# Altium PCB PCB_v5.PcbDoc (part 4 of 7)
Units mil, origin at the board's own origin, x right, y up, seen from the top; angles counter-clockwise.
Board outline 6750 x 6000 mil, 6 copper layers (Top Layer, Int1 (GND), Int2 (Sign), Int3 (Sign), Int4 (PWR), Bottom Layer), stack 61.067 mil thick; 472 components, 583 nets, 2516 pads, 977 vias.
Unrouted connection lines stored in the file: 28.
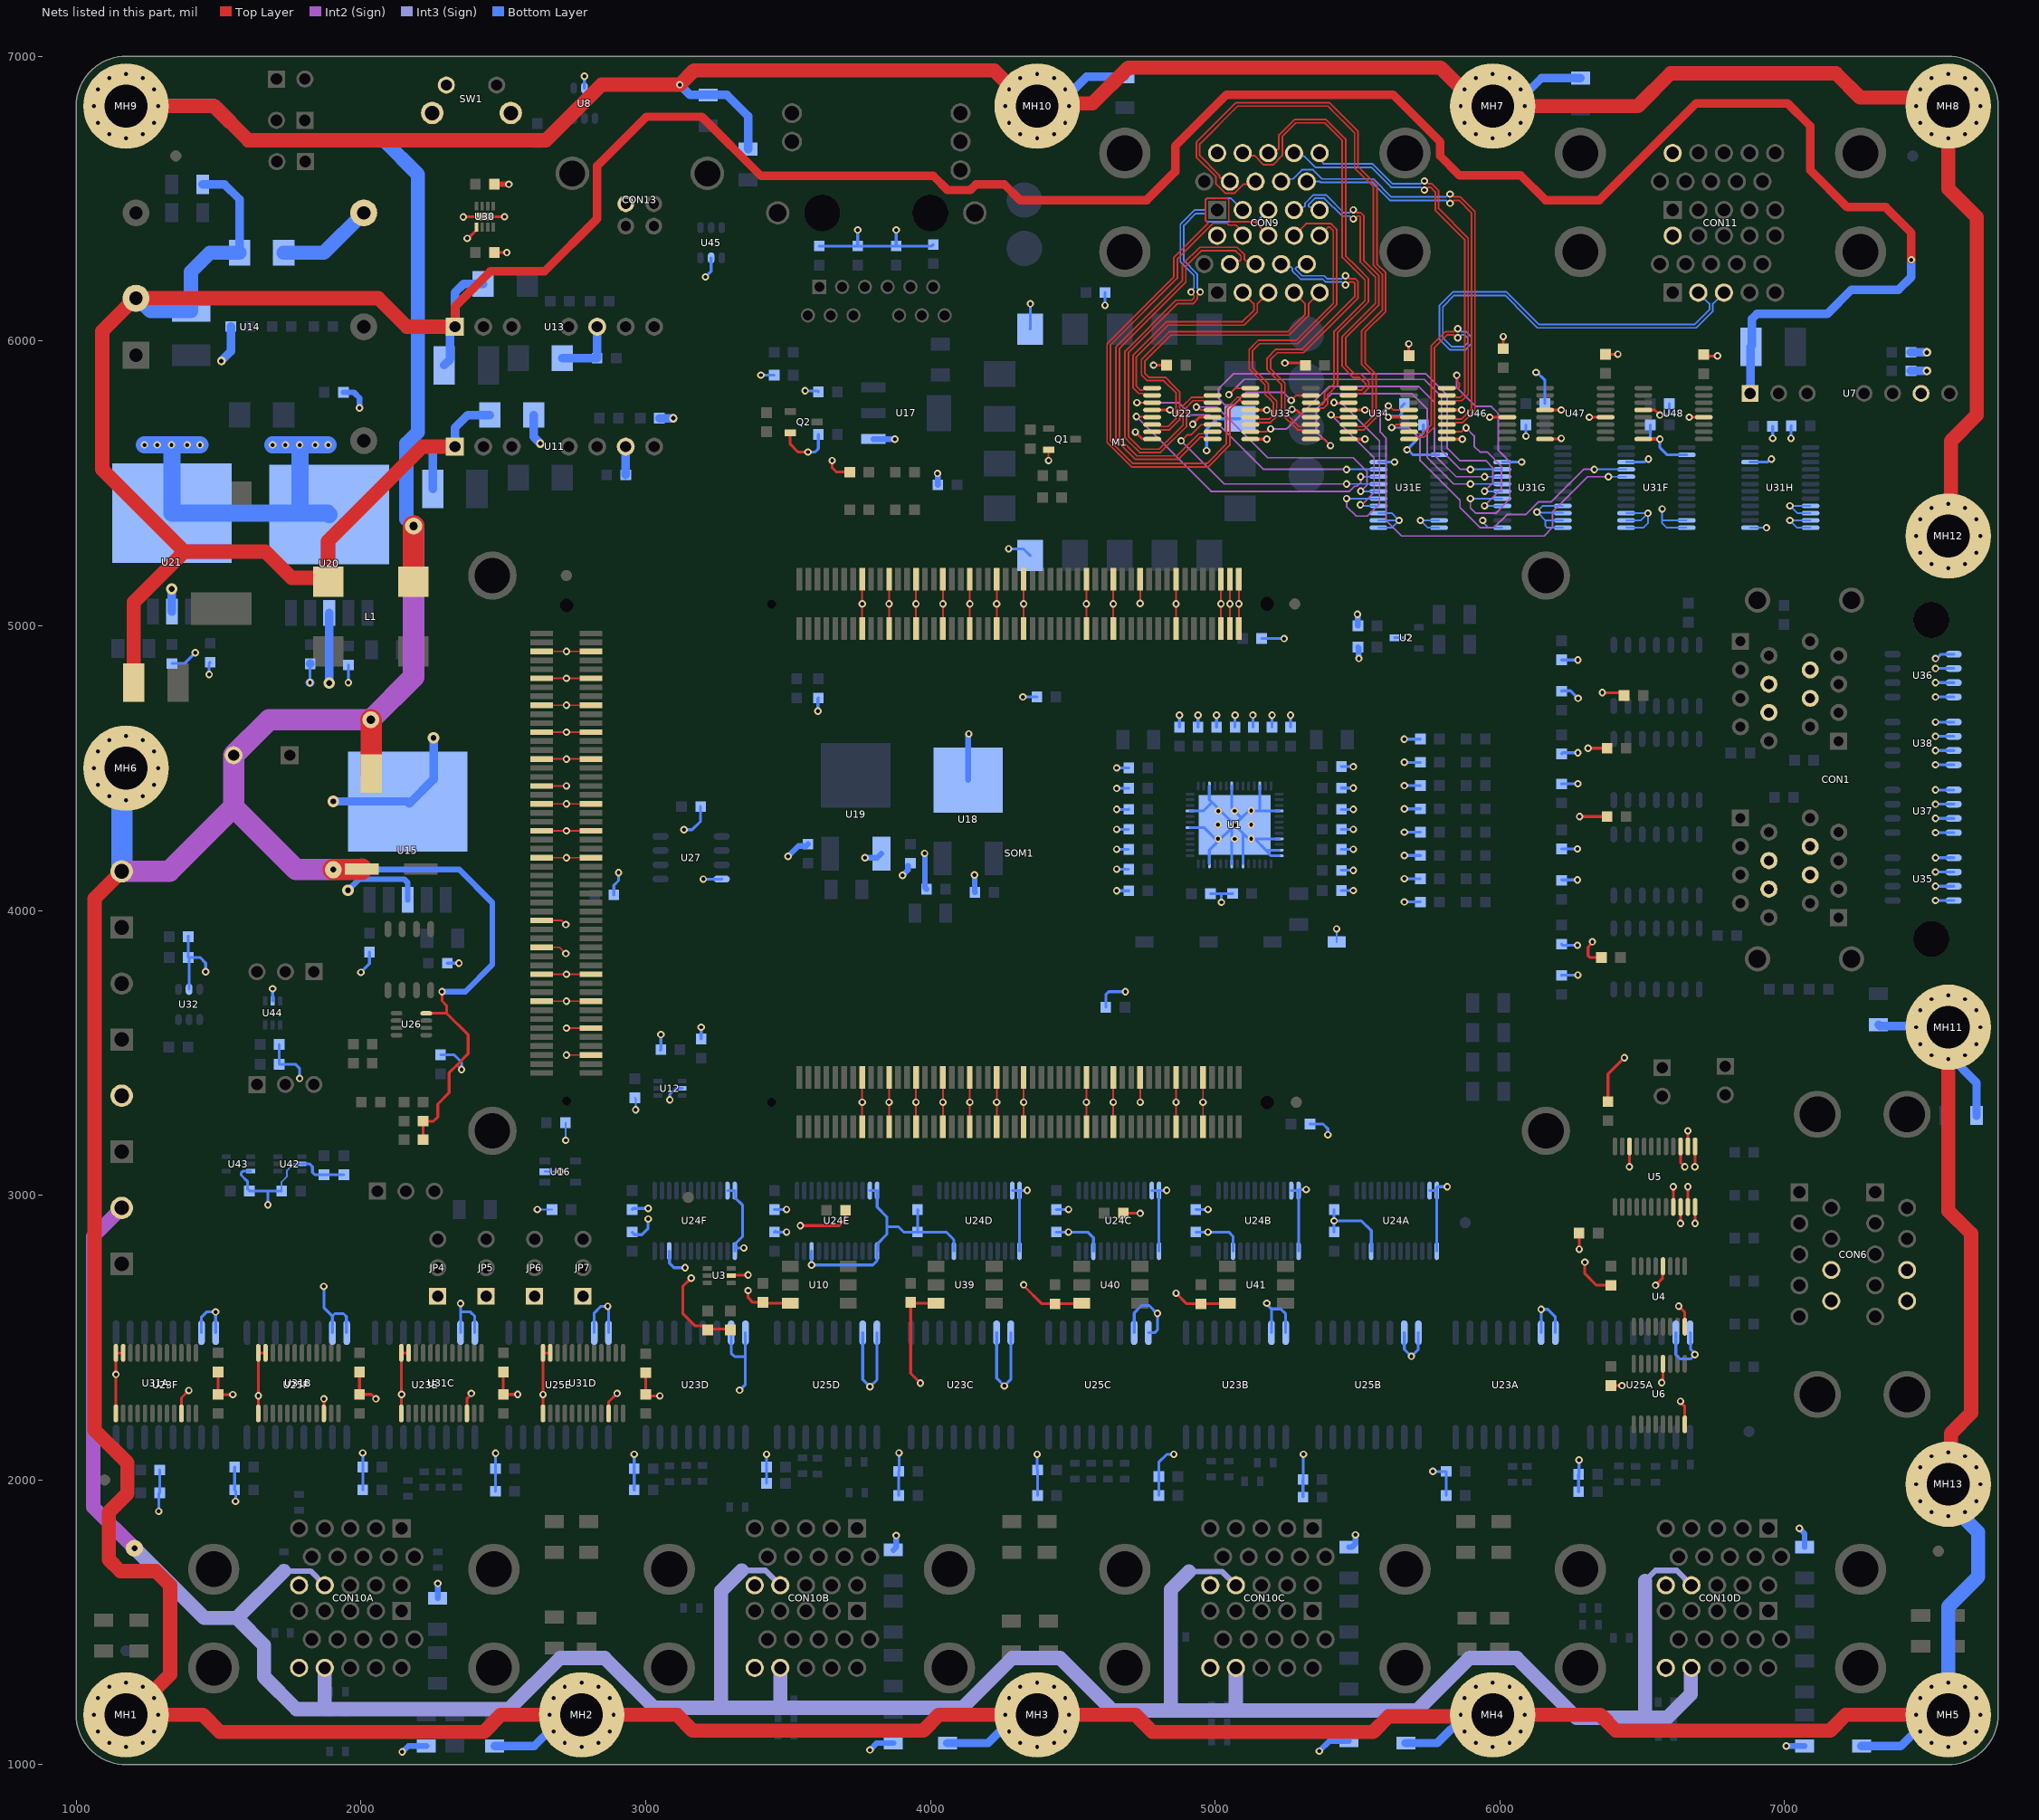
[diagram p8: the nets of this part, all layers, seen from the top]

## Via types
v1: diameter 26, hole 14, Top Layer to Bottom Layer, tented both sides, 910 vias
v2: diameter 40, hole 20, Top Layer to Bottom Layer, tented both sides, 53 vias
v3: diameter 60, hole 20, Top Layer to Bottom Layer, tented both sides, 6 vias
v4: diameter 30, hole 16, Top Layer to Bottom Layer, tented both sides, 5 vias
v5: diameter 60, hole 30, Top Layer to Bottom Layer, tented both sides, 2 vias
v6: diameter 80, hole 40, Top Layer to Bottom Layer, tented both sides, 1 vias

## Nets (pads, with @x,y where several pads share a name; then routed paths per layer and width w, separated by ;. In a path a pad name is that pad's centre, name@x,y a point inside that pad or via, vN(x,y) a via of type N, cw(c..) or ccw(c..) an arc to the next point about the centre after c; other vN are vias at no path point) (continued)
GND: C1.2 C2.2 C3.2 C4.2 C5.2 C6.2 C7.2 C8.2 C9.2 C10.2 C11.2 C12.2 C13.2 C14.2 C15.2 C16.2 C17.2 C18.2 C19.2 C20.2 C21.2 C22.2 C23.2 C24.1 C25.1 C26.2 C27.1 C28.1 C29.2 C30.2 C31.1 C32.1 C33.1 C34.1 C36.2 C39.1 C41.2 C43.2 C44.2 C45.2 C48.2 C50.1 C51.2 C52.2 C53.2 C54.2 C55.2 C56.2 C57.1 C58.1 C59.2 C60.2 C61.2 C62.2 C63.2 C64.2 C65.2 C66.2 C67.2 C68.2 C69.2 C70.2 C71A.2 C71B.2 C71C.2 C71D.2 C71E.2 C71F.2 C72A.2 C72B.2 C72C.2 C72D.2 C72E.2 C72F.2 C73A.2 C73B.2 C73C.2 C73D.2 C73E.2 C73F.2 C74A.1 C74B.1 C74C.1 C74D.1 C74E.1 C74F.1 C75A.2 C75B.2 C75C.2 C75D.2 C75E.2 C75F.2 C76A.2 C76B.2 C76C.2 C76D.2 C76E.2 C76F.2 C77A.2 C77B.2 C79A.2 C79B.2 C81A.2 C81B.2 C82A.1 C82B.1 C83.1 C84A.2 C84B.2 C85A.1 C85B.1 C86A.2 C86B.2 C87.1 C88A.2 C88B.2 C89.1 C90.1 C91.1 C92.1 C93A.2 C93B.2 C93C.2 C93D.2 C93E.2 C93F.2 C93G.2 C93H.2 C94A.2 C94B.2 C94C.2 C94D.2 C94E.2 C94F.2 C94G.2 C94H.2 C96.1 C97.1 C98.1 C99.1 C100.1 C101.1 C102.1 C103.2 C104.1 C105.1 C106.1 C107.1 C110.1 C111.2 C112.1 C113.1 C114.2 C115.1 C116.1 C117.1 C118A.2 C118B.2 C119A.2 C119B.2 CON1.4A CON1.4B CON1.4C CON1.4D CON1.6A CON1.6B CON1.6C CON1.6D CON2.2 CON6.8B CON6.8T CON6.9B CON6.9T CON9.11A CON9.11B CON10A.15A CON10A.15B CON10B.15A CON10B.15B CON10C.15A CON10C.15B CON10D.15A CON10D.15B CON11.11A CON11.11B CON13.4 JP4.1 JP5.1 JP6.1 JP7.1 LED3.C M1.1 M1.7 M1.14 Q1.2 Q2.2 R8.1 R40.1 R45.1 R92.2 R95A.1 R95B.1 R95C.1 R95D.1 R96A.1 R96B.1 R96C.1 R96D.1 R97.1 R99.1 SOM1.JX1-15 SOM1.JX1-16 SOM1.JX1-21 SOM1.JX1-22 SOM1.JX1-27 SOM1.JX1-28 SOM1.JX1-33 SOM1.JX1-34 SOM1.JX1-39 SOM1.JX1-40 SOM1.JX1-45 SOM1.JX1-46 SOM1.JX1-51 SOM1.JX1-52 SOM1.JX1-65 SOM1.JX1-66 SOM1.JX1-71 SOM1.JX1-72 SOM1.JX1-77 SOM1.JX1-85 SOM1.JX1-86 SOM1.JX1-95 SOM1.JX1-96 SOM1.JX1-97 SOM1.JX1-98 SOM1.JX1-99 SOM1.JX1-100 SOM1.JX2-15 SOM1.JX2-16 SOM1.JX2-21 SOM1.JX2-22 SOM1.JX2-27 SOM1.JX2-28 SOM1.JX2-33 SOM1.JX2-34 SOM1.JX2-39 SOM1.JX2-40 SOM1.JX2-45 SOM1.JX2-46 SOM1.JX2-51 SOM1.JX2-52 SOM1.JX2-65 SOM1.JX2-66 SOM1.JX2-71 SOM1.JX2-72 SOM1.JX2-77 SOM1.JX2-85 SOM1.JX2-86 SOM1.JX2-91 SOM1.JX2-92 SOM1.JX3-6 SOM1.JX3-12 SOM1.JX3-17 SOM1.JX3-18 SOM1.JX3-23 SOM1.JX3-24 SOM1.JX3-29 SOM1.JX3-35 SOM1.JX3-49 SOM1.JX3-50 SOM1.JX3-55 SOM1.JX3-56 SOM1.JX3-61 SOM1.JX3-62 SOM1.JX3-65 SOM1.JX3-71 SOM1.JX3-72 SOM1.JX3-77 SOM1.JX3-78 SOM1.JX3-83 SOM1.JX3-84 SOM1.JX3-89 SOM1.JX3-90 SOM1.JX3-95 SOM1.JX3-96 SW1.2 SW1.SH TP4.1 U1.3 U1.7 U1.12 U1.18 U1.23 U1.25 U1.26 U1.32 U1.34 U1.38 U1.46 U1.49 U1.53 U2.3 U3.2 U4.8 U4.12 U5.9 U5.10 U5.11 U5.12 U5.13 U5.14 U5.15 U5.22 U6.8 U6.12 U7.7 U8.2 U10.6 U11.7 U12.2 U13.6 U14.4 U15.3 U15.6 U16.2 U17.1 U18.4 U19.1 U20.3 U20.6 U21.3 U21.6 U22.4 U22.8 U22.12 U23A.7 U23A.8 U23B.7 U23B.8 U23C.7 U23C.8 U23D.7 U23D.8 U23E.7 U23E.8 U23F.7 U23F.8 U24A.11 U24A.12 U24A.13 U24A.22 U24B.11 U24B.12 U24B.13 U24B.22 U24C.11 U24C.12 U24C.13 U24C.22 U24D.11 U24D.12 U24D.13 U24D.22 U24E.11 U24E.12 U24E.13 U24E.22 U24F.11 U24F.12 U24F.13 U24F.22 U25A.7 U25A.8 U25B.7 U25B.8 U25C.7 U25C.8 U25D.7 U25D.8 U25E.7 U25E.8 U25F.7 U25F.8 U27.4 U30.5 U30.9 U31A.11 U31A.12 U31A.13 U31A.22 U31B.11 U31B.12 U31B.13 U31B.22 U31C.11 U31C.12 U31C.13 U31C.22 U31D.11 U31D.12 U31D.13 U31D.22 U31E.2 U31E.11 U31E.12 U31E.13 U31E.14 U31E.15 U31E.22 U31F.2 U31F.11 U31F.12 U31F.13 U31F.14 U31F.15 U31F.22 U31G.9 U31G.10 U31G.11 U31G.12 U31G.13 U31G.22 U31H.9 U31H.10 U31H.11 U31H.12 U31H.13 U31H.22 U32.2 U33.4 U33.8 U33.12 U34.4 U34.8 U34.12 U35.5 U35.6 U35.7 U35.8 U36.5 U36.6 U36.7 U36.8 U37.5 U37.6 U37.7 U37.8 U38.5 U38.6 U38.7 U38.8 U39.6 U40.6 U41.6 U42.2 U43.3 U44.2 U45.2 U46.4 U46.8 U46.12 U47.4 U47.8 U47.12 U48.4 U48.8 U48.12 | length 38073.5
  Top Layer w6: SOM1.JX3-17@2635.12,3681.43 v1(2721.73,3681.43) SOM1.JX3-18@2808.35,3681.43 ; SOM1.JX3-23@2635.12,3775.92 v1(2721.73,3775.92) SOM1.JX3-24@2808.35,3775.92 ; SOM1.JX3-29@2635.12,3870.41 2697.42,3870.41 2718.91,3848.91 v1(2719.67,3848.91) ; SOM1.JX3-35@2635.12,3964.89 2705.11,3964.89 v1(2719.68,3950.32) ; SOM1.JX3-49@2635.12,4185.37 SOM1.JX3-50@2808.35,4185.36 ; SOM1.JX3-55@2635.12,4279.85 SOM1.JX3-56@2808.35,4279.85 ; SOM1.JX3-61@2635.12,4374.34 SOM1.JX3-62@2808.35,4374.34 ; SOM1.JX3-65@2635.12,4437.33 v1(2721.73,4437.33) ; SOM1.JX3-71@2635.12,4531.82 SOM1.JX3-72@2808.35,4531.82 ; SOM1.JX3-77@2635.12,4626.31 SOM1.JX3-78@2808.35,4626.31 ; SOM1.JX3-83@2635.12,4720.8 SOM1.JX3-84@2808.35,4720.8 ; SOM1.JX3-89@2635.12,4815.29 SOM1.JX3-90@2808.35,4815.28 ; SOM1.JX3-95@2635.12,4909.78 SOM1.JX3-96@2808.35,4909.77 ; v1(2721.73,3492.45) SOM1.JX3-6@2808.35,3492.45 ; v1(2721.73,3586.94) SOM1.JX3-12@2808.35,3586.94 ; SOM1.JX2-16@3760.55,3240 v1(3760.55,3326.62) SOM1.JX2-15@3760.55,3413.23 ; SOM1.JX1-16@3760.55,4990 SOM1.JX1-15@3760.55,5163.23 ; SOM1.JX2-22@3855.04,3240 SOM1.JX2-21@3855.04,3413.23 ; SOM1.JX1-22@3855.04,4990 SOM1.JX1-21@3855.04,5163.23 ; SOM1.JX2-28@3949.53,3240 v1(3949.53,3326.62) SOM1.JX2-27@3949.53,3413.23 ; SOM1.JX1-28@3949.53,4990 SOM1.JX1-27@3949.53,5163.23 ; SOM1.JX2-34@4044.02,3240 v1(4044.02,3326.62) SOM1.JX2-33@4044.02,3413.23 ; SOM1.JX1-34@4044.02,4990 SOM1.JX1-33@4044.02,5163.23 ; SOM1.JX2-40@4138.5,3240 SOM1.JX2-39@4138.51,3413.23 ; SOM1.JX1-40@4138.5,4990 SOM1.JX1-39@4138.51,5163.23 ; SOM1.JX2-46@4232.99,3240 v1(4232.99,3326.62) SOM1.JX2-45@4232.99,3413.23 ; SOM1.JX1-46@4232.99,4990 SOM1.JX1-45@4232.99,5163.23 ; SOM1.JX2-52@4327.48,3240 v1(4327.48,3326.62) SOM1.JX2-51@4327.48,3413.23 ; SOM1.JX1-52@4327.48,4990 SOM1.JX1-51@4327.48,5163.23 ; v1(4415,5580) 4415,5617.09 Q1.2@4415.66,5617.76 ; SOM1.JX2-66@4547.95,3240 v1(4547.95,3326.62) SOM1.JX2-65@4547.95,3413.23 ; SOM1.JX1-66@4547.95,4990 SOM1.JX1-65@4547.95,5163.23 ; SOM1.JX2-72@4642.44,3240 v1(4642.44,3326.62) SOM1.JX2-71@4642.44,3413.23 ; SOM1.JX1-72@4642.44,4990 SOM1.JX1-71@4642.44,5163.23 ; v1(4736.69,5078.3) 4736.93,5078.54 SOM1.JX1-77@4736.93,5163.23 ; v1(4736.93,3326.62) SOM1.JX2-77@4736.93,3413.23 ; SOM1.JX2-86@4862.91,3240 v1(4862.91,3326.62) SOM1.JX2-85@4862.91,3413.23 ; SOM1.JX1-86@4862.91,4990 SOM1.JX1-85@4862.91,5163.23 ; SOM1.JX2-92@4957.4,3240 v1(4957.4,3326.62) SOM1.JX2-91@4957.4,3413.23 ; SOM1.JX1-96@5020.39,4990 v1(5020.4,5076.62) SOM1.JX1-95@5020.4,5163.23 ; SOM1.JX1-98@5051.89,4990 v1(5051.89,5076.62) SOM1.JX1-97@5051.89,5163.23 ; SOM1.JX1-100@5083.38,4990 v1(5083.39,5076.62) SOM1.JX1-99@5083.39,5163.23
  Top Layer w10: U31A.13@1139.55,2233.7 1139.77,2233.93 v1(1139.77,2370.61) 1139.77,2446.07 U31A.12@1139.55,2446.3 U31A.11@1165.14,2446.3 ; U31A.22@1369.86,2233.7 1369.86,2288.67 v1(1395.45,2314.26) ; C94A.2@1498.77,2379.37 C93A.2@1498.77,2300.63 1499.4,2300 v1(1550,2300) ; U31B.13@1639.55,2233.7 1639.77,2233.93 1639.77,2446.07 U31B.12@1639.55,2446.3 U31B.11@1665.14,2446.3 ; U31B.22@1869.86,2233.7 1869.93,2233.77 1869.93,2284.93 v1(1870,2285) ; C94B.2@1995.3,2379.37 C93B.2@1995.3,2300.63 2037.37,2300.63 v1(2053,2285) ; U31C.13@2141.93,2233.7 2142.47,2234.23 2142.47,2300.1 v1(2143,2300.63) 2142.47,2301.16 2142.47,2445.77 U31C.12@2141.93,2446.3 U31C.11@2167.52,2446.3 ; v1(2359.63,6435.47) 2360.11,6435.94 2435.11,6435.94 U30.9@2435.58,6436.42 v1(2504.63,6436.42) ; U31C.22@2372.25,2233.7 2372.25,2284.88 2387.58,2300.21 v1(2387.58,2304) ; v1(2373.44,6360.47) 2377.16,6360.47 2406.05,6389.37 U30.5@2406.05,6399.21 ; C92.1@2469.05,6310.47 v1(2512.51,6310.47) ; C94C.2@2500.3,2379.37 C93C.2@2500.3,2300.63 v1(2550.63,2300.63) ; U31D.13@2639.55,2233.7 v1(2639.55,2300) U31D.12@2639.55,2446.3 U31D.11@2665.14,2446.3 ; U31D.22@2869.86,2233.7 2869.86,2274.04 v1(2899.82,2304) ; C94D.2@3000.3,2376.54 C93D.2@3000.3,2300.63 3005.93,2295 v1(3050,2295) ; v1(3160,2709.05) 3130.31,2679.37 3130.31,2584.69 3174.29,2540.71 3204.19,2540.71 C103.2@3217.89,2527.01 3220.89,2530 3294.9,2530 C26.2@3297.89,2527.01 ; U3.2@3301.04,2717.91 3302.09,2718.95 3358.95,2718.95 v1(3360,2720) ; v1(3360,2665) 3360,2640 3376.58,2623.42 C99.1@3411.91,2623.42 3414.78,2620.55 U10.6@3507.42,2620.55 ; Q2.2@3507.76,5677.6 3507.76,5637.24 3535,5610 v1(3570,5610) ; v1(3543.53,2893.17) 3680.56,2893.17 3699.7,2912.3 3699.7,2945.07 C104.1@3702.16,2947.53 ; v1(3655,5580) 3655,5555 3670,5540 3716.52,5540 LED3.C@3717.09,5539.43 ; v1(3965,2340) 3930.89,2374.11 C100.1@3930.89,2623.42 3933.76,2620.55 U39.6@4019.23,2620.55 ; v1(4327.48,2685.51) 4327.48,2682.44 4391.33,2618.58 C101.1@4437.89,2618.58 4529.08,2618.58 U40.6@4531.04,2620.55 ; C105.1@4677.41,2936.54 v1(4736.93,2936.54) ; v1(4720,5680) 4743.65,5656.35 4777.78,5656.35 U22.8@4778.7,5655.43 ; U22.4@4778.7,5757.8 v1(4841.42,5757.8) ; v1(4783.62,5915) C65.2@4829.88,5915 ; v1(4862.91,2655.94) 4900.27,2618.58 C102.1@4950.65,2618.58 5040.89,2618.58 U41.6@5042.86,2620.55 ; v1(4921.42,5707.53) 4921.42,5708.82 4944.8,5732.2 U22.12@4991.3,5732.2 ; U33.8@5123.7,5655.43 5123.84,5655.3 5181.16,5655.3 v1(5181.3,5655.16) ; U33.4@5123.7,5757.8 5123.85,5757.65 5181.59,5757.65 v1(5181.73,5757.5) ; v1(5245,5922.5) 5309.28,5922.5 C66.2@5317.48,5914.3 ; v1(5270.23,5759.54) 5273.29,5756.47 5287.31,5756.47 5311.58,5732.2 U33.12@5336.3,5732.2 ; U34.8@5468.7,5655.43 5468.84,5655.3 5526.3,5655.3 v1(5526.44,5655.16) ; U34.4@5468.7,5757.8 v1(5526.44,5757.8) ; v1(5608.31,5732.2) U34.12@5681.3,5732.2 ; v1(5680,5990) 5680,5949.76 C67.2@5681.3,5948.46 ; U46.8@5813.7,5655.43 5813.84,5655.3 5868.16,5655.3 v1(5868.3,5655.16) ; U46.4@5813.7,5757.8 v1(5865.97,5757.8) ; v1(5964.39,5732.2) U46.12@6026.3,5732.2 ; C68.2@6011.93,5972.97 v1(6011.93,6015.5) ; U47.8@6158.7,5655.43 6159.8,5656.53 6214.21,5656.53 v1(6215.45,5657.78) ; U47.4@6158.7,5757.8 v1(6215.45,5757.8) ; C29.2@6278.27,2866.8 6278.73,2866.33 v1(6278.73,2810) ; v1(6280,4330) C118B.2@6376.54,4330 ; v1(6298.48,2765) 6298.48,2724.54 6339.26,2683.76 C27.1@6389.98,2683.76 ; v1(6310,4570) C119B.2@6376.54,4570 ; v1(6314.31,5732.2) U47.12@6371.3,5732.2 ; v1(6325,3890) 6325,3886.14 6310,3871.14 6310,3840.86 6315.86,3835 C118A.2@6356.54,3835 ; v1(6360,4765) 6426.54,4765 C119A.2@6436.54,4755 ; C69.2@6371.46,5953.46 v1(6414.31,5953.46) ; C30.2@6379.65,3328.46 6379.65,3424.97 v1(6437.3,3482.63) ; C28.1@6389.98,2331.79 6428.07,2331.79 v1(6428.86,2331) ; v1(6455,3100) 6455.22,3100.22 6455.22,3171.08 U5.22@6455.43,3171.3 ; U48.8@6503.7,5655.43 v1(6561.99,5655.42) ; U48.4@6503.7,5757.8 6544.27,5757.8 v1(6561.99,5740.08) ; v1(6547.18,2683.76) 6571.67,2708.25 6571.67,2749.59 U4.12@6572.77,2750.69 ; v1(6568.46,2341.59) 6572.77,2345.9 U6.12@6572.77,2407.89 ; U5.9@6608.98,2958.7 v1(6608.98,3030) ; v1(6628,2610.35) 6649.54,2588.81 U4.8@6649.54,2538.09 ; v1(6634.57,2276.08) 6634.57,2272.3 6649.54,2257.32 U6.8@6649.54,2195.29 ; v1(6634.57,2901.18) U5.10@6634.57,2958.7 ; U5.15@6634.57,3171.3 6634.57,3114.98 v1(6649.54,3100) ; U5.11@6660.16,2958.7 v1(6660.16,3030) ; U5.14@6660.16,3171.3 v1(6660.16,3226.11) ; v1(6665,5732.2) U48.12@6716.3,5732.2 ; v1(6685,3100) 6685.37,3100.37 6685.37,3170.93 U5.13@6685.75,3171.3 ; v1(6685.75,2901.18) U5.12@6685.75,2958.7 ; C70.2@6716.3,5952.15 6721.07,5947.38 v1(6764.63,5947.38)
  Top Layer w20: C91.1@2469.05,6550.47 v1(2519.63,6550.47)
  Bottom Layer w6: R97.1@1721.54,3015 1721.54,3046.54 1740,3065 1740,3085 1765,3110 U42.2@1792.32,3110 ; v1(2619.64,2950) 2670.59,2950 C54.2@2671.22,2949.37 ; U16.2@2645.87,3082.83 2648.03,3085 2650.2,3082.83 v1(2700,3082.83) ; C53.2@2718.46,3255 2719.45,3254.02 v1(2719.45,3192.72) ; C45.2@2962.52,3341.95 2965,3339.47 v1(2965,3300) ; TP4.1@5426.87,3889.11 v1(5426.87,3935.11) ; U31E.13@5573.7,5344.25 5620.39,5344.25 v1(5645.98,5369.84) ; U31E.14@5573.7,5369.84 v1(5645.98,5369.84) ; U31E.15@5573.7,5395.43 5620.39,5395.43 v1(5645.98,5369.84) ; U31E.12@5786.3,5344.25 5746.8,5344.25 v1(5721.21,5369.84) U31E.11@5786.3,5369.84 ; v1(5940,5370) 5940,5365 5960.75,5344.25 U31G.13@6008.7,5344.25 ; U31G.12@6220.83,5344.72 U31G.12@6221.3,5344.25 6165.75,5344.25 6160,5350 6160,5365 6160.16,5365.16 6160.16,5369.84 ; U31G.11@6221.3,5369.84 6160.16,5369.84 ; U31G.10@6221.3,5395.43 6219.43,5397.3 v1@6132.7,5397.3 ; U31G.9@6221.3,5421.02 6151.02,5421.02 6130,5400 v1(6130.56,5399.44) v1@6132.7,5397.3 ; U31F.13@6443.7,5344.25 6504.25,5344.25 6520,5360 v1(6520,5395) ; U31F.14@6443.7,5369.84 6494.84,5369.84 v1(6520,5395) ; U31F.15@6443.7,5395.43 6519.57,5395.43 v1(6520,5395) ; v1(6570,5410) 6570,5370.07 ; U31F.12@6656.3,5344.25 6585.75,5344.25 6570,5360 6570,5370.07 ; U31F.11@6656.3,5369.84 6656.08,5370.07 6570,5370.07 ; U31H.13@6878.7,5344.25 v1(6936.32,5344.25) ; U31H.12@7091.3,5344.25 7044.06,5344.25 v1(7018.46,5369.84) U31H.11@7091.3,5369.84 ; U31H.10@7091.3,5395.43 7044.08,5395.43 v1(7018.49,5421.02) U31H.9@7091.3,5421.02 ; v1@6132.7,5397.3 6160.16,5369.84
  Bottom Layer w10: v1(1290,1890) 1290,1951.54 C73F.2@1293.46,1955 C72F.2@1293.46,2035 ; C64.2@1336.39,4867.28 1380.63,4867.28 v1(1418.35,4905) ; C25.1@1394.23,3910 1392.6,3908.37 C25.1@1393.46,3907.5 R8.1@1393.46,3835 ; U32.2@1396.54,3723.15 1396.54,3831.93 R8.1@1393.46,3835 ; U23F.7@1440,2516.93 1440,2572.2 1457.74,2589.94 v1(1490,2589.94) U23F.8@1490,2516.93 ; v1(1455,3785) 1455,3815 1435,3835 R8.1@1393.46,3835 ; v1(1467,4829) 1467,4868.15 C63.2@1470.39,4871.54 ; C75F.2@1556.54,2045 C76F.2@1556.54,1965 1560,1961.54 v1(1560,1925) ; U43.3@1612.32,3084.41 1585.59,3084.41 1579.73,3078.55 1579.73,3070.27 1602.16,3047.84 1602.16,3021.31 C111.2@1608.46,3015 1673.5,3015 ; v1(1673.5,2966.5) 1673.5,3015 ; U44.2@1690,3682.32 v1(1690,3725) ; C114.2@1713.46,3530 C113.1@1713.46,3460 1770,3460 1785,3445 v1(1785,3410) ; R97.1@1721.54,3015 1673.5,3015 ; U42.2@1792.32,3110 1820,3110 1830,3100 1830,3080 1838.46,3071.54 C110.1@1870,3071.54 C112.1@1940,3071.54 ; v1@1821.42,4800.42 C61.2@1821.42,4866.12 ; v1(1869.86,2679.76) 1869.86,2605.37 1900,2575.24 ; U25F.7@1900,2516.93 1900,2575.24 ; U25F.8@1950,2516.93 1948.88,2518.05 1948.88,2573.88 1938.88,2583.88 1908.64,2583.88 1900,2575.24 ; v1(1955.84,4800.42) C62.2@1955.84,4862.28 ; v1(2000,3782.8) 2030.3,3813.1 C51.2@2030.3,3853.87 ; C73E.2@2006.54,1965 C72E.2@2006.54,2045 v1(2006.54,2095) ; C52.2@2303.35,3815 v1(2344.36,3815) ; U23E.7@2350,2516.93 2350,2589.94 ; v1(2350,2620) 2350,2589.94 ; U23E.8@2400,2516.93 2399.7,2517.23 2399.7,2575.24 2385,2589.94 2350,2589.94 ; C76E.2@2472.94,1960 C75E.2@2472.94,2040 v1(2472.94,2093.78) ; U8.2@2785,6888.15 v1(2785,6930) ; U25E.7@2819.64,2516.93 2819.64,2586.3 2843.12,2609.78 v1(2866.78,2609.78) 2869.64,2606.92 U25E.8@2869.64,2516.93 ; C83.1@2888.46,4055 2888.46,4088.46 2905,4105 v1(2905,4133) ; C71F.2@2952.31,2870.63 2961.36,2861.58 2987.12,2861.58 3008.81,2883.27 v1(3008.81,2916.66) ; C74F.1@2952.31,2949.37 2956.28,2953.35 v1(3008.81,2953.35) ; C73D.2@2959.99,1965 C72D.2@2959.99,2040 v1(2960,2090) ; C43.2@3051.41,3509.17 C43.2@3053.36,3511.11 v1(3053.36,3564.11) ; U24F.22@3082.74,2803.7 3083.84,2802.6 3083.84,2760.77 3099.3,2745.31 v1(3138.65,2745.31) ; v1(3085,3335) 3085,3355 3105.41,3375.41 U12.2@3128.16,3375.41 ; v1(3134.66,4283.79) 3163.79,4283.79 3193.12,4313.12 C107.1@3193.12,4365 ; R92.2@3195,3548.46 v1(3195,3590) ; v1(3202.5,4109.98) 3266.55,4109.98 U27.4@3266.94,4110.37 ; v1(3210,6225) 3230,6245 U45.2@3230,6291.85 ; U24F.11@3287.46,3016.3 U24F.12@3313.06,3016.3 3313.06,2992.68 3340,2965.73 3340,2854.27 3313.06,2827.32 U24F.13@3313.06,2812.34 ; U23D.7@3300.46,2516.93 3300.46,2445.6 3313.06,2433 3350.46,2433 ; U24F.13@3313.06,2803.7 U24F.13@3313.06,2812.34 ; v1(3330,2315) 3350.46,2335.46 3350.46,2433 ; v1(3345,2815) 3315.71,2815 U24F.13@3313.06,2812.34 ; U23D.8@3350.46,2516.93 3350.46,2433 ; v1(3405,5880) R99.1@3451.54,5880 ; C76D.2@3424.72,1987.86 C75D.2@3424.72,2045 v1(3424.72,2090) ; C71E.2@3452.31,2870.63 3456.27,2874.6 3460.24,2870.63 v1(3495,2870.63) ; C74E.1@3452.31,2949.37 3452.94,2950 v1(3495,2950) ; v1(3560,5825) 3603.15,5825 C55.2@3606.54,5821.61 ; v1(3570,5610) 3595,5610 3606.54,5621.54 C56.2@3606.54,5671.61 ; U24E.22@3582.74,2803.7 v1(3582.74,2754.71) 3798.24,2754.71 3812.58,2769.06 3812.58,2801.98 3811.96,2802.6 U24E.13@3813.06,2803.7 3813.06,2828.16 3847.48,2862.58 3847.48,2889.75 ; v1(3605,4700) 3605,4745 C24.1@3606.54,4746.54 ; C33.1@3610,6333.46 C34.1@3745,6333.46 ; v1(3745,6390) C34.1@3745,6333.46 ; U25D.7@3762.31,2516.93 3762.31,2353.01 v1(3788.07,2327.25) 3812.31,2351.49 U25D.8@3812.31,2516.93 ; U24E.11@3787.46,3016.3 U24E.12@3813.06,3016.3 3813.06,2958.11 3847.48,2923.69 3847.48,2889.75 ; v1(3880,6390) 3880,6339.29 3877.09,6336.38 C32.1@3880,6333.46 ; C73C.2@3889.13,1945 C72C.2@3889.13,2030 3890,2030.87 v1(3890,2095) ; C74D.1@3957.78,2946.48 C74D.1@3954.9,2949.37 C71D.2@3954.9,2870.63 ; C31.1@4009.92,6338.46 4004.92,6333.46 C32.1@3880,6333.46 ; U24D.22@4082.59,2803.85 U24D.22@4082.74,2803.7 4082.74,2843.52 4055.63,2870.63 C71D.2@3954.9,2870.63 ; U23C.7@4232.59,2516.93 4232.59,2357.41 v1(4260,2330) 4282.59,2352.59 U23C.8@4282.59,2516.93 ; v1(4275,5270) 4326.77,5270 M1.14@4350.28,5246.5 ; U24D.11@4287.46,3016.3 U24D.12@4313.06,3016.3 ; U24D.13@4313.06,2803.7 U24D.12@4313.06,3016.3 ; v1@4317.48,4750 v1(4325,4750) 4373.91,4750 C106.1@4374.04,4749.88 ; v1(4340,3017.34) 4338.95,3016.3 U24D.12@4313.06,3016.3 ; M1.1@4350.28,6041.77 4351.02,6042.52 v1(4351.02,6131) ; v1(4375,2090) 4375,2036.54 C75C.2@4376.54,2035 C76C.2@4376.54,1945 ; C71C.2@4442.31,2870.63 v1(4485,2870.63) 4552.29,2870.63 4572.72,2850.2 U24C.22@4572.74,2803.7 ; C74C.1@4442.31,2949.37 4484.37,2949.37 v1(4485,2950) ; v1(4613.46,6125) C116.1@4613.46,6170 ; C87.1@4616.05,3660 4616.05,3704.42 4626.63,3715 v1(4685,3715) ; v1(4654.47,4145) C19.2@4696.54,4145 ; v1(4654.47,4215) C1.2@4696.54,4215 ; v1(4654.47,4285) C16.2@4696.54,4285 ; v1(4654.47,4355) C12.2@4696.54,4355 C12.2@4696.61,4355.08 ; v1(4654.54,4069) C18.2@4696.61,4069 C18.2@4696.54,4069.08 ; v1(4654.54,4428.8) C22.2@4696.61,4428.8 ; v1(4654.54,4500.77) C23.2@4696.61,4500.77 ; U25C.7@4715.82,2516.93 4715.82,2586.08 4742.28,2612.54 4768.09,2612.54 4795.63,2585 v1(4797.49,2585) 4797.49,2526.43 4787.98,2516.93 U25C.8@4765.82,2516.93 ; U24C.11@4777.46,3016.3 U24C.12@4803.06,3016.3 ; C73B.2@4802.24,1945.02 C72B.2@4802.24,2011.73 4802.24,2061.88 4830.36,2090 v1(4855,2090) ; U24C.13@4803.06,2803.7 U24C.12@4803.06,3016.3 ; v1(4830,3017.34) 4828.95,3016.3 U24C.12@4803.06,3016.3 ; C17.2@4875,4643.46 v1(4875,4685.53) ; U1.46@4912.01,4290.63 4962.03,4290.63 U1.53@5010.34,4242.31 ; U1.49@4912.01,4349.69 4959.21,4349.69 U1.53@4989.25,4379.72 ; C71B.2@4932.31,2870.63 v1(4975,2870.63) 5047.87,2870.63 5062.74,2855.76 U24B.22@5062.74,2803.7 ; C74B.1@4932.31,2949.37 4932.94,2950 v1(4975,2950) ; C11.2@4940,4643.46 v1(4940,4685.53) ; v1(4970,5615) 4970,5690 5006.81,5726.81 M1.7@5087.48,5726.81 ; U1.38@4979.92,4163.66 4979.92,4211.89 U1.53@5010.34,4242.31 ; U1.3@4979.92,4437.28 4979.92,4389.06 U1.53@4989.25,4379.72 ; C10.2@4984.02,4059 5022.28,4059 ; C2.2@5005,4643.46 v1(5005,4685.53) ; v1(5022.28,4028.61) 5022.28,4059 ; U1.34@5058.66,4163.66 U1.53@5058.66,4290.63 ; U1.7@5058.66,4437.28 5058.66,4359.53 U1.53@5093.11,4325.08 ; C15.2@5061.54,4060 5060.54,4059 5022.28,4059 ; C5.2@5070,4643.46 v1(5070,4685.53) ; U1.32@5098.03,4163.66 U1.53@5098.03,4270.94 ; C3.2@5132.74,4644.04 v1(5132.74,4686.11) ; U1.12@5157.09,4437.28 5157.09,4353.16 U1.53@5160.57,4349.69 ; C89.1@5163.46,4955 v1(5242.23,4955) ; v1(5181.73,2620.55) 5181.73,2616.76 5197.87,2600.63 ; U23B.7@5197.87,2516.93 5197.87,2600.63 ; C7.2@5200,4643.46 v1(5200,4685.53) ; U1.26@5225,4192.2 5195.35,4192.2 5189.49,4198.06 5189.49,4201.14 U1.53@5178.74,4211.89 ; U1.25@5225,4211.89 U1.53@5178.74,4211.89 ; U1.23@5225,4251.26 U1.53@5139.37,4251.26 ; U1.18@5225,4349.69 U1.53@5160.57,4349.69 ; U23B.8@5247.87,2516.93 5247.87,2582.76 5230,2600.63 5197.87,2600.63 ; C6.2@5265,4643.46 v1(5265,4685.53) ; U24B.11@5267.46,3016.3 U24B.12@5293.06,3016.3 ; U24B.13@5293.06,2803.7 U24B.12@5293.06,3016.3 ; C76B.2@5308.73,1940 C75B.2@5308.73,2001.3 5310,2002.57 v1(5310,2090) ; v1(5320,3020) 5295.71,3020 5293.06,3017.34 U24B.12@5293.06,3016.3 ; C90.1@5333.13,3250 5379.39,3250 5396.05,3233.34 v1@5396.05,3212.04 ; C71A.2@5417.97,2870.63 v1(5417.97,2910) ; C74A.1@5417.97,2949.37 v1(5417.97,2910) ; C4.2@5443.41,4070.06 C4.2@5443.46,4070 v1(5485.53,4070) ; C8.2@5443.41,4140.96 v1(5485.48,4140.96) ; C9.2@5443.41,4214.94 C9.2@5443.46,4215 v1(5485.53,4215) ; C21.2@5443.46,4285 v1(5485.53,4285) ; C20.2@5443.46,4355 v1(5485.53,4355) ; C13.2@5443.46,4430 v1(5485.53,4430) ; C14.2@5443.46,4505 v1(5485.53,4505) ; U24A.22@5548.4,2803.7 5548.4,2875.65 5514.05,2910 v1(5417.97,2910) ; U31E.22@5573.7,5574.57 5573.92,5574.78 5629.78,5574.78 v1(5630,5575) ; v1(5608.31,5732.2) 5611.1,5735 5645,5735 5655,5745 5655,5770.31 C94E.2@5664.69,5780 ; U2.3@5630.24,4957.56 5631.46,4958.78 5673.78,4958.78 v1(5675,4960) ; U25B.7@5664.05,2516.93 5664.86,2516.12 5664.86,2458.62 v1(5689.17,2434.31) 5713.49,2458.62 5713.49,2516.37 U25B.8@5714.05,2516.93 ; v1(5664.23,4601.61) 5720.83,4601.61 C81B.2@5721.21,4601.99 ; v1(5664.61,4029.76) C79A.2@5721.21,4029.76 ; v1(5664.61,4111.51) C86A.2@5721.21,4111.51 ; v1(5664.61,4193.26) C79B.2@5721.21,4193.26 ; v1(5664.61,4275) C86B.2@5721.21,4275 ; v1(5664.61,4356.75) C77A.2@5721.21,4356.75 ; v1(5664.61,4438.5) C81A.2@5721.21,4438.5 ; v1(5664.61,4520.24) C77B.2@5721.21,4520.24 ; C93E.2@5731.61,5705 5731.61,5676.61 5673.78,5618.78 v1(5673.78,5617.87) 5677.94,5617.87 5695.66,5600.16 U31E.2@5786.3,5600.16 ; U24A.11@5753.13,3016.3 U24A.12@5778.72,3016.3 ; v1(5765,2030) C72A.2@5811.54,2030 C73A.2@5811.54,1945 ; U24A.13@5778.72,2803.7 U24A.12@5778.72,3016.3 ; v1(5815,3030) 5781.37,3030 5778.72,3027.34 U24A.12@5778.72,3016.3 ; U31G.22@6008.7,5574.57 6008.92,5574.79 6076.51,5574.79 v1(6076.73,5575.01) ; v1(6091.54,5665.8) C94G.2@6091.54,5705 ; v1(6127.16,5889.52) 6130.75,5889.52 6158.46,5861.8 C93G.2@6158.46,5780 ; U23A.7@6145,2516.93 v1(6145,2599.17) 6168.37,2599.17 6195,2572.54 U23A.8@6195,2516.93 ; C88A.2@6216.65,3771.86 6217.9,3773.11 v1(6274.15,3773.11) ; C85A.1@6216.65,3882.01 6221.06,3877.6 v1(6272.37,3877.6) ; C88B.2@6216.65,4106.02 6217.74,4107.11 v1(6272.37,4107.11) ; C85B.1@6216.65,4216.17 6216.71,4216.11 v1(6272.37,4216.11) ; C84B.2@6216.65,4444.34 6217.3,4445 v1(6274.15,4445) ; C82B.1@6216.65,4549.5 6221.15,4554 v1(6274.15,4554) ; C84A.2@6216.65,4770.18 6218.08,4771.61 6248.39,4771.61 v1(6275,4745) ; C82A.1@6216.65,4880.33 6217.13,4879.86 v1(6274.01,4879.86) ; C76A.2@6276.36,1958.7 6276.54,1958.87 C75A.2@6276.54,2020 6278.27,2021.73 v1(6278.27,2070) ; U31F.22@6443.7,5574.57 6508.27,5574.57 6518.7,5585 v1(6522.12,5585) ; C94F.2@6528.54,5705 6528.54,5661.29 6534.39,5655.43 v1(6561.99,5655.42) ; v1(6561.99,5655.42) 6561.99,5625.57 6587.4,5600.16 U31F.2@6656.3,5600.16 ; v1(6561.99,5740.08) 6589.61,5740.08 6595.46,5745.94 C93F.2@6595.46,5780 ; U25A.7@6618.18,2516.93 6618.18,2439.82 6633,2425 6670.17,2425 6682.32,2437.15 6682.32,2446.47 6670.17,2458.62 6670.17,2514.94 U25A.8@6668.18,2516.93 ; U31H.22@6878.7,5574.57 6939.24,5574.57 6949.67,5585 v1(6954,5585) ; C93H.2@6957.25,5700.75 6958.41,5699.59 v1(6958.41,5657.78) ; v1(7022.48,5657.78) 7022.48,5700.98 C94H.2@7023.55,5702.05 ; v1(7530,4035) U35.8@7593.86,4035 ; v1(7530,4085) U35.7@7593.86,4085 ; v1(7530,4135) U35.6@7593.86,4135 ; v1(7530,4185) U35.5@7593.86,4185 ; v1(7530,4273.33) U37.8@7593.86,4273.33 ; v1(7530,4323.33) U37.7@7593.86,4323.33 ; v1(7530,4373.33) U37.6@7593.86,4373.33 ; v1(7530,4423.33) U37.5@7593.86,4423.33 ; v1(7530,4511.67) U38.8@7593.86,4511.67 ; v1(7530,4561.67) U38.7@7593.86,4561.67 ; v1(7530,4611.67) U38.6@7593.86,4611.67 ; v1(7530,4661.67) U38.5@7593.86,4661.67 ; v1(7530,4750) U36.8@7593.86,4750 ; v1(7530,4800) U36.7@7593.86,4800 ; v1(7530,4850) U36.6@7593.86,4850 ; v1(7530,4885) 7534.33,4885 7549.33,4900 U36.5@7593.86,4900 ; C34.1@3745,6333.46 C32.1@3880,6333.46 ; 3847.48,2889.75 3886.94,2889.75 3906.06,2870.63 C71D.2@3954.9,2870.63 ; U1.53@4989.25,4379.72 v1(5068.5,4300.47) ; U1.53@5010.34,4242.31 U1.53@5058.66,4290.63 ; U1.53@5058.66,4290.63 v1(5068.5,4300.47) ; v1(5068.5,4300.47) U1.53@5093.11,4325.08 ; v1(5068.5,4300.47) U1.53@5098.03,4270.94 ; U1.53@5093.11,4325.08 5117.72,4349.69 U1.53@5160.57,4349.69 ; U1.53@5098.03,4270.94 5117.72,4251.26 U1.53@5139.37,4251.26 ; U1.53@5139.37,4251.26 U1.53@5178.74,4211.89